# Altium PCB PCB_v2.PcbDoc (part 1 of 2)
Units mm, origin at the board's own origin, x right, y up, seen from the top; angles counter-clockwise.
Board outline 220 x 129.77 mm, 2 copper layers (Top Layer, Bottom Layer); 145 components, 83 nets, 483 pads, 5 vias.
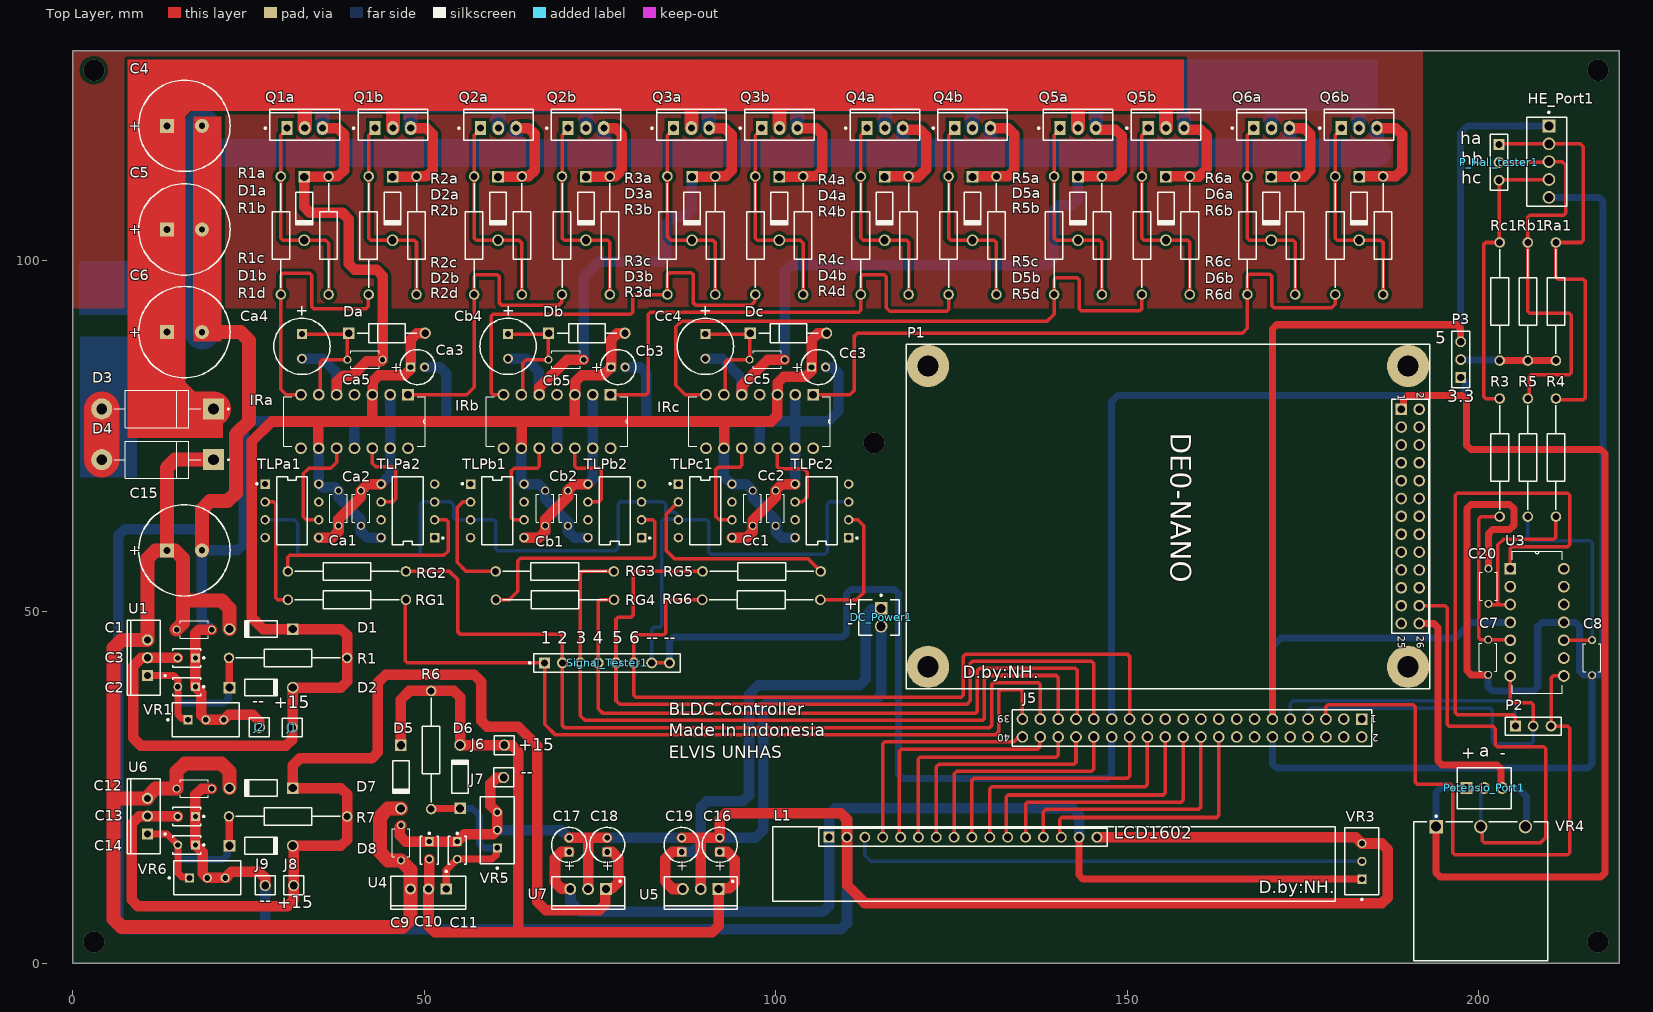
[diagram p0: Top Layer view]
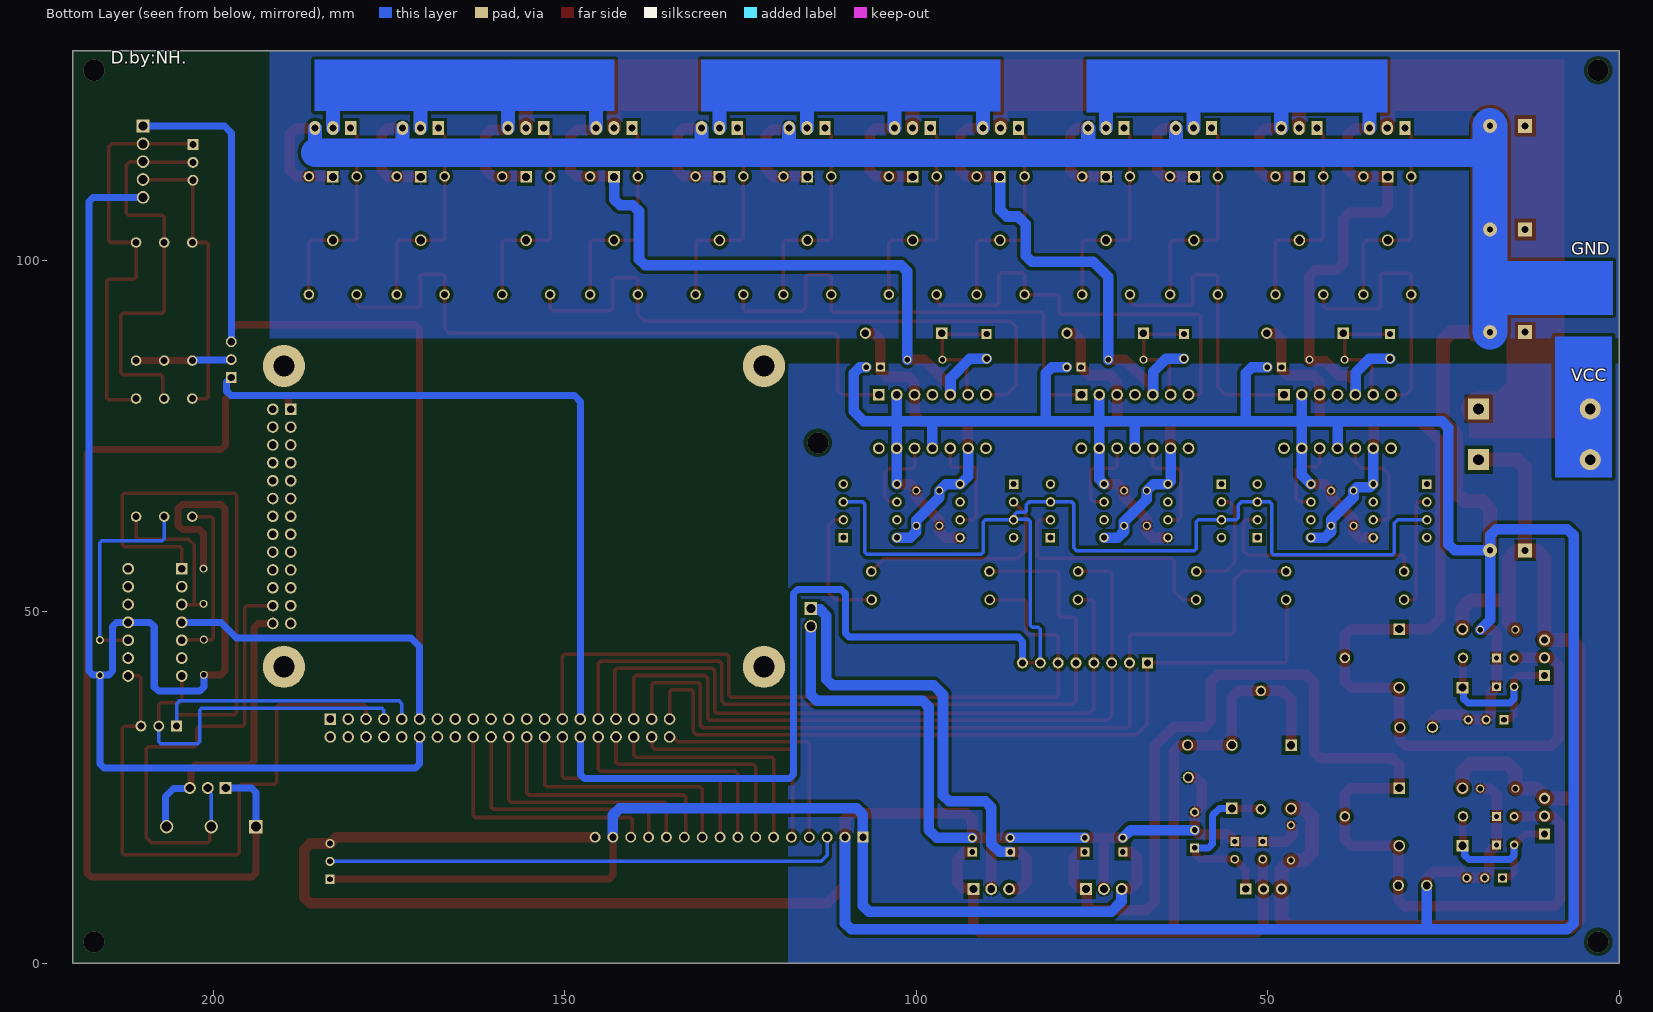
[diagram p1: Bottom Layer view, seen from below]
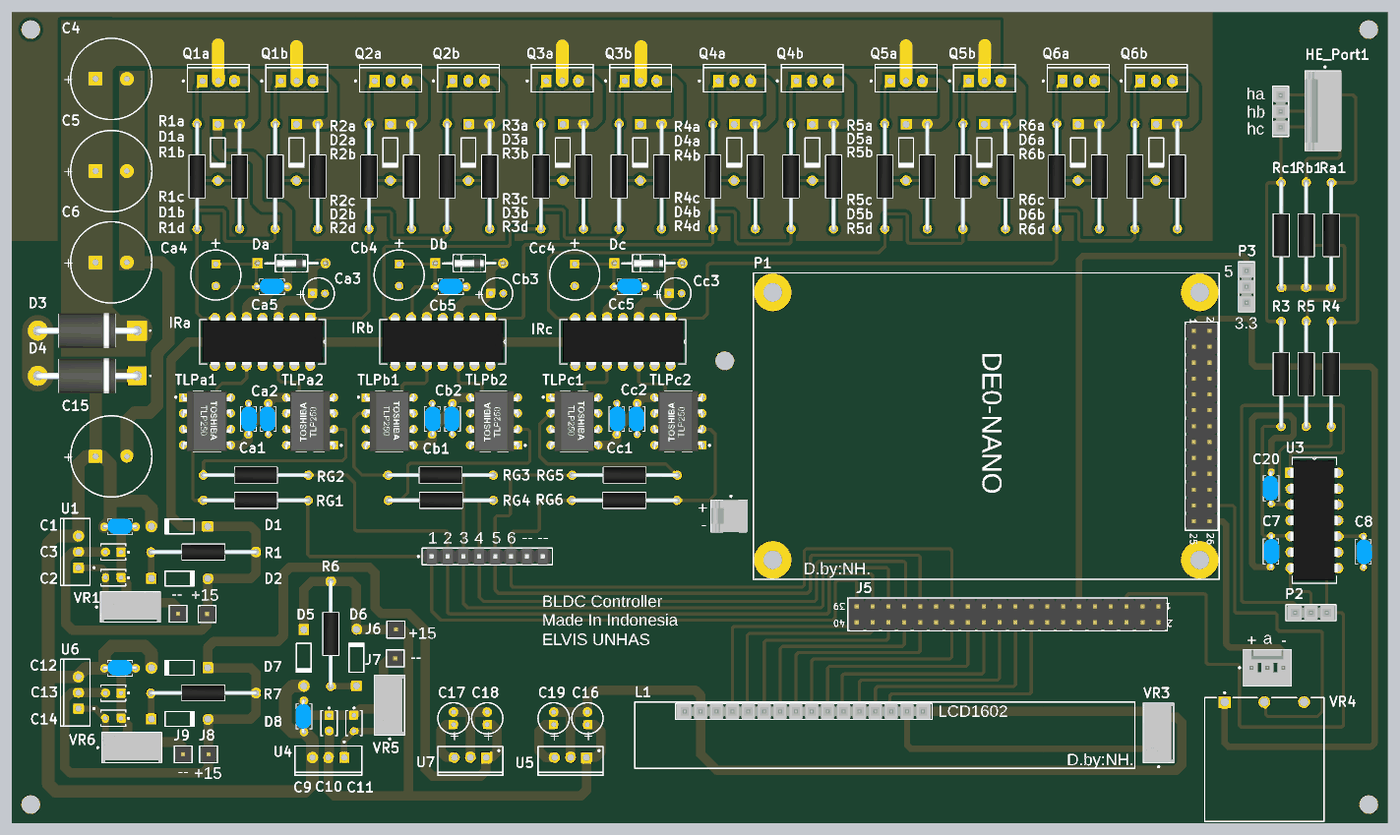
[diagram p3: 3D render of the assembled board from above, using the file's embedded part models]

## Layer stack, top to bottom
Top Solder: solder mask 0.0102, Solder Resist, Dk 3.5
Top Layer: signal copper 0.0356
Dielectric 1: dielectric 0.32, FR-4, Dk 4.8
Bottom Layer: signal copper 0.0356
Bottom Solder: solder mask 0.0102, Solder Resist, Dk 3.5

## Board outline
0,0 220,0 220,129.775 0,129.775

## Design rules (kind name [scope] priority, off if disabled: settings)
Clearance [All] p1: gap=0.5 ignorepadtopadclearanceinfootprint=TRUE
PolygonConnect [All] p1: connectstyle=Relief reliefconductorwidth=0.254 reliefentries=4 polygonreliefangle="90 Angle" airgapwidth=0.254
RoutingVias [All] p1: holewidth=0.711 width=1.27 viastyle="Through Hole" minholewidth=0.711 minwidth=1.27 maxholewidth=0.711 maxwidth=1.27
SolderMaskExpansion [All] p1: expansion=0.102 istentingtop=FALSE
Width Width_Inverter [(InNet('VCC') OR InNet('P1') OR InNet('P2') OR InNet('P3') OR InNet('GND')) OR InNet('36V_I')] p1: maxlimit=7 minlimit=1.5 preferedwidth=5
Width Width_power [(InNet('15V') OR InNet('F20V') OR InNet('F_5V') OR InNet('L20V') OR InNet('L20V') OR InNet('L_5V')) OR InNet('36V_P')] p2: maxlimit=3 minlimit=1 preferedwidth=2
Width [All] p3: maxlimit=1 minlimit=0.5 preferedwidth=0.5
30 further rules are at their usual default settings.

## Classes and differential pairs
component class Power_LCD: C12 C13 C14 C17 C18 D7 D8 J8 J9 R7 U6 U7 VR6
component class Power_FPGA: C9 C10 C11 C16 C19 D5 D6 DC_Power1 J6 J7 R6 U4 U5 VR5
component class Motor_Driver: C1 C2 C3 C4 C5 C6 C15 Ca1 Ca2 Ca3 Ca4 Ca5 Cb1 Cb2 Cb3 Cb4 Cb5 Cc1 Cc2 Cc3 Cc4 Cc5 D1 D1a D1b D2 D2a D2b D3 D3a D3b D4 D4a D4b D5a D5b D6a D6b Da Db Dc IRa IRb IRc J1 J2 Q1a Q1b Q2a Q2b Q3a Q3b Q4a Q4b Q5a Q5b Q6a Q6b R1 R1a R1b R1c R1d R2a R2b R2c R2d R3a R3b R3c R3d R4a R4b R4c R4d R5a R5b R5c R5d R6a R6b R6c R6d RG1 RG2 RG3 RG4 RG5 RG6 TLPa1 TLPa2 TLPb1 TLPb2 TLPc1 TLPc2 U1 VR1
component class IOandFPGA: C7 C8 C20 HE_Port1 J5 L1 P1 P2 P3 P_Hall_tester1 Potensio_Port1 R3 R4 R5 Ra1 Rb1 Rc1 Signal_Tester1 U3 VR3 VR4

## Components (designator, comment, footprint, x,y, rotation, side; value= is the part's Value field where it differs from the comment)
C1 "0.1µF" Cap-0.1uf-50V-Ceramic1 17.277,47.423 r180 top value=0.1µf
C2 "K104K15X7RF5TL2" Cap-0.1uf-50v-ceramic 16.2,39.3 r180 top
C3 "K104K15X7RF5TL2" Cap-0.1uf-50v-ceramic 16.2,43.393 r180 top
C4 "470uf" Cap-470uf-63v-radial 15.875,119.1 r0 top
C5 "470uf" Cap-470uf-63v-radial 15.875,104.35 r0 top
C6 "470uf" Cap-470uf-63v-radial 15.875,89.75 r0 top
C7 "0.1µF" Cap-0.1uf-50V-Ceramic1 201.356,43.5 r90 top
C8 "0.1µF" Cap-0.1uf-50V-Ceramic1 216.14,43.44 r90 top
C9 "0.1µF" Cap-0.1uf-50V-Ceramic1 46.7,17.102 r270 top value=0.1µf
C10 "K104K15X7RF5TL2" Cap-0.1uf-50v-ceramic 50.721,16.025 r270 top
C11 "K104K15X7RF5TL2" Cap-0.1uf-50v-ceramic 54.7,16.025 r270 top
C12 "0.1µF" Cap-0.1uf-50V-Ceramic1 17.277,24.8 r180 top value=0.1µf
C13 "K104K15X7RF5TL2" Cap-0.1uf-50v-ceramic 16.2,20.843 r180 top
C14 "K104K15X7RF5TL2" Cap-0.1uf-50v-ceramic 16.2,16.8 r180 top
C15 "470uf" Cap-470uf-63v-radial 15.875,58.7 r0 top
C16 "0.33µf" Cap-1uf-50v-radial 92.035,16.8 r90 top
C17 "0.33µf" Cap-1uf-50v-radial 70.61,16.8 r90 top
C18 "0.33µf" Cap-1uf-50v-radial 76.01,16.8 r90 top
C19 "0.1µF" Cap-1uf-50v-radial 86.635,16.8 r90 top
C20 "0.1µF" Cap-0.1uf-50V-Ceramic1 201.4,53.6 r270 top
Ca1 "0.1µF" Cap-0.1uf-50V-Ceramic1 37.8,64.7 r90 top
Ca2 "0.1µF" Cap-0.1uf-50V-Ceramic1 41,64.7 r270 top
Ca3 "ECA1HM220" CAP-22uf-50v-radial 49.05,84.775 r0 top
Ca4 "ECA1HM101" Cap-100uf-50v-radial 32.6,87.725 r270 top
Ca5 "0.1µF" Cap-0.1uf-50V-Ceramic1 41.575,85.825 r180 top
Cb1 "0.1µF" Cap-0.1uf-50V-Ceramic1 67.2,64.7 r90 top
Cb2 "0.1µF" Cap-0.1uf-50V-Ceramic1 70.45,64.7 r270 top
Cb3 "ECA1HM220" CAP-22uf-50v-radial 77.575,84.775 r0 top
Cb4 "ECA1HM101" Cap-100uf-50v-radial 61.925,87.725 r270 top
Cb5 "0.1µF" Cap-0.1uf-50V-Ceramic1 70.175,85.825 r180 top
Cc1 "0.1µF" Cap-0.1uf-50V-Ceramic1 96.725,64.7 r90 top
Cc2 "0.1µF" Cap-0.1uf-50V-Ceramic1 100,64.7 r270 top
Cc3 "ECA1HM220" CAP-22uf-50v-radial 106.1,84.775 r0 top
Cc4 "ECA1HM101" Cap-100uf-50v-radial 90,87.725 r270 top
Cc5 "0.1µF" Cap-0.1uf-50V-Ceramic1 98.775,85.825 r180 top
D1 "1N4001-T" Diode-1N4001 26.8,47.5 r180 top
D1a "1N4001-T" Diode-1N4001 32.93,107.325 r270 top
D1b "1N4001-T" Diode-1N4001 45.5,107.325 r270 top
D2 "1N4001-T" Diode-1N4001 26.8,39.18 r0 top
D2a "1N4001-T" Diode-1N4001 60.5,107.325 r270 top
D2b "1N4001-T" Diode-1N4001 73,107.325 r270 top
D3 "1N5404" Diode-1N5404 12,78.825 r180 top
D3a "1N4001-T" Diode-1N4001 88.1,107.325 r270 top
D3b "1N4001-T" Diode-1N4001 100.5,107.325 r270 top
D4 "1N5404" Diode-1N5404 12,71.6 r180 top
D4a "1N4001-T" Diode-1N4001 115.5,107.325 r270 top
D4b "1N4001-T" Diode-1N4001 128,107.325 r270 top
D5 "1N4002-T" Diode-1N4002 46.675,26.475 r270 top
D5a "1N4001-T" Diode-1N4001 143,107.325 r270 top
D5b "1N4001-T" Diode-1N4001 155.5,107.325 r270 top
D6 "1N4002-T" Diode-1N4002 55.1,26.5 r90 top
D6a "1N4001-T" Diode-1N4001 170.5,107.325 r270 top
D6b "1N4001-T" Diode-1N4001 183,107.325 r270 top
D7 "1N4002-T" Diode-1N4002 26.8,24.877 r180 top
D8 "1N4002-T" Diode-1N4002 26.8,16.68 r0 top
Da "UF4007-E3/54" Diode-UF4007 44.7,89.6 r0 top value=17pF
Db "UF4007-E3/54" Diode-UF4007 73.125,89.6 r0 top value=17pF
Dc "UF4007-E3/54" Diode-UF4007 101.8,89.6 r0 top value=17pF
DC_Power1 "640456-2" Conn-Wire-header-2pin 115,49.17 r90 top
HE_Port1 "640456-5" Conn-Wire-header-5pin 210,114 r90 top
IRa "IR2110PBF" Mosfet-Driver-IR2110PBF 32.455,73.225 r270 top
IRb "IR2110PBF" Mosfet-Driver-IR2110PBF 61.272,73.225 r270 top
IRc "IR2110PBF" Mosfet-Driver-IR2110PBF 90.09,73.225 r270 top
J1 "61300111121" PIN-HEADER-1PIN 31.2,33.5 r0 top
J2 "61300111121" PIN-HEADER-1PIN 26.55,33.535 r0 top
J5 "61304021121" Pin-Header-2x20pin 159.23,33.43 r180 top
J6 "61300111121" PIN-HEADER-1PIN 61.4,31 r0 top
J7 "61300111121" PIN-HEADER-1PIN 61.3,26.4 r0 top
J8 "61300111121" PIN-HEADER-1PIN 31.425,11.035 r0 top
J9 "61300111121" PIN-HEADER-1PIN 27.375,11.035 r0 top
L1 "TSW-116-08-T-S" LCD1602 107.6,17.9 r0 top
P1 "61302621121" DE0-nano 190.27,63.54 r270 top
P2 "TSW-103-07-T-S" Pin-Header-3pin 205.22,33.7 r0 top
P3 "TSW-103-07-T-S" Pin-Header-3pin 197.45,83.3 r90 top
P_Hall_tester1 "TSW-103-07-T-S" Pin-Header-3pin 202.9,116.44 r270 top
Potensio_Port1 "22-27-2031" Conn-Wire-header-3pin 200.8,24.9 r0 top
Q1a "IRF3205PBF" Mosfet-IRF3205 33,118.775 r90 top
Q1b "IRF3205PBF" Mosfet-IRF3205 45.54,118.775 r90 top
Q2a "IRF3205PBF" Mosfet-IRF3205 60.54,118.775 r90 top
Q2b "IRF3205PBF" Mosfet-IRF3205 73,118.775 r90 top
Q3a "IRF3205PBF" Mosfet-IRF3205 88,118.775 r90 top
Q3b "IRF3205PBF" Mosfet-IRF3205 100.54,118.775 r90 top
Q4a "IRF3205PBF" Mosfet-IRF3205 115.54,118.775 r90 top
Q4b "IRF3205PBF" Mosfet-IRF3205 128,118.775 r90 top
Q5a "IRF3205PBF" Mosfet-IRF3205 143,118.775 r90 top
Q5b "IRF3205PBF" Mosfet-IRF3205 155.54,118.775 r90 top
Q6a "IRF3205PBF" Mosfet-IRF3205 170.54,118.775 r90 top
Q6b "IRF3205PBF" Mosfet-IRF3205 183,118.775 r90 top
R1 "220R" Resistor-1-Watt 22.225,43.41 r0 top
R1a "20" Resistor-1-Watt 29.6,95.1 r90 top
R1b "20K" Resistor-1-Watt 36.4,95.1 r90 top
R1c "10" Resistor-1-Watt 42.1,95.1 r90 top
R1d "20K" Resistor-1-Watt 48.9,95.1 r90 top
R2a "20" Resistor-1-Watt 57.1,95.1 r90 top
R2b "20K" Resistor-1-Watt 63.9,95.1 r90 top
R2c "20" Resistor-1-Watt 69.6,95.1 r90 top
R2d "20K" Resistor-1-Watt 76.4,95.1 r90 top
R3 "Resistor-1-Watt" Resistor-1-Watt 203,80.3 r270 top
R3a "20" Resistor-1-Watt 84.6,95.1 r90 top
R3b "20K" Resistor-1-Watt 91.4,111.9 r270 top
R3c "20" Resistor-1-Watt 97.1,95.1 r90 top
R3d "20K" Resistor-1-Watt 103.9,111.9 r270 top
R4 "Resistor-1-Watt" Resistor-1-Watt 211,80.3 r270 top
R4a "20" Resistor-1-Watt 112.1,95.1 r90 top
R4b "20K" Resistor-1-Watt 118.9,111.9 r270 top
R4c "20" Resistor-1-Watt 124.6,95.1 r90 top
R4d "20K" Resistor-1-Watt 131.4,111.9 r270 top
R5 "Resistor-1-Watt" Resistor-1-Watt 207,80.3 r270 top
R5a "20" Resistor-1-Watt 139.6,95.1 r90 top
R5b "20K" Resistor-1-Watt 146.4,111.9 r270 top
R5c "20" Resistor-1-Watt 152.1,95.1 r90 top
R5d "20K" Resistor-1-Watt 158.9,111.9 r270 top
R6 "1K" Resistor-1-Watt 50.982,21.9 r90 top
R6a "20" Resistor-1-Watt 167.1,95.1 r90 top
R6b "20K" Resistor-1-Watt 173.9,111.9 r270 top
R6c "20" Resistor-1-Watt 179.6,95.1 r90 top
R6d "20K" Resistor-1-Watt 186.4,111.9 r270 top
R7 "220R" Resistor-1-Watt 22.225,20.849 r0 top
Ra1 "10K" Resistor-1-Watt 211,85.7 r90 top
Rb1 "10K" Resistor-1-Watt 207,85.7 r90 top
Rc1 "10K" Resistor-1-Watt 203,85.7 r90 top
RG1 "180" Resistor-1-Watt 47.4,51.675 r180 top
RG2 "180" Resistor-1-Watt 47.4,55.7 r180 top
RG3 "180" Resistor-1-Watt 76.963,55.7 r180 top
RG4 "180" Resistor-1-Watt 77,51.675 r180 top
RG5 "180" Resistor-1-Watt 89.6,55.7 r0 top
RG6 "180" Resistor-1-Watt 89.55,51.675 r0 top
Signal_Tester1 "M20-9990846" Pin-Header-8pin 76.01,42.7 r0 top
TLPa1 "TLP250" Opto-Coupler-TLP250 31.185,64.32 r0 top
TLPa2 "TLP250" Opto-Coupler-TLP250 47.675,64.32 r180 top
TLPb1 "TLP250" Opto-Coupler-TLP250 60.4,64.32 r0 top
TLPb2 "TLP250" Opto-Coupler-TLP250 77.1,64.32 r180 top
TLPc1 "TLP250" Opto-Coupler-TLP250 89.96,64.32 r0 top
TLPc2 "TLP250" Opto-Coupler-TLP250 106.575,64.32 r180 top
U1 "LM317T/NOPB" Voltage-Regulator-LM317 10.625,43.425 r90 top
U3 "Op-Amp_LM324" Op-Amp_LM324 212.12,40.84 r0 top
U4 "LM317T/NOPB" Voltage-Regulator-LM317 50.59,10.525 r180 top
U5 "L7805ACV" Voltage-Regulator-L7805ACV 89.335,10.525 r180 top
U6 "LM317T/NOPB" Voltage-Regulator-LM317 10.625,20.89 r90 top
U7 "L7805ACV" Voltage-Regulator-L7805ACV 73.31,10.525 r180 top
VR1 "3296W-1-103LF" Resistor-Trimmer 18.94,34.6 r0 top
VR3 "3296W-1-103LF" Resistor-Trimmer 183.4,14.46 r90 top
VR4 "3852A-282-103AL" Potentiometer 200.3,19.4 r0 top
VR5 "3296W-1-103LF" Resistor-Trimmer 60.4,18.915 r90 top
VR6 "3296W-1-103LF" Resistor-Trimmer 19.14,12.1 r0 top

## Footprints (in the part's own frame and the unit in brackets; to place one, negate y for a bottom-side part, rotate by r counter-clockwise, add the part's x,y. Pads: shape width x height; smd on the part's side, far side on the other; paste and mask are expansions set on the pad)
Cap-0.1uf-50v-ceramic [mm] "THD, 2-Leads, Body 4x2.6mm"
  rect 1.25x1.25 hole 0.75: 1(-1.25,0)
  round 1.25 hole 0.75: 2(1.25,0)
  silkscreen extent -2.55,-1.3 2,1.3, body extent -2,-1.3 2,1.3, height 5.6
Cap-0.1uf-50V-Ceramic1 [mm]
  round 1.15 hole 0.75: 1(-2.5,0) 2(2.5,0)
  silkscreen extent -2,-1.25 2,1.25, body extent -2.75,-1.36 2.75,1.14, height 6
Cap-1uf-50v-radial [mm] "THD, 2-Leads, Dia 5mm, Body Length 11mm"
  rect 1.3x1.3 hole 0.8: 1(-1,0)
  round 1.3 hole 0.8: 2(1,0)
  silkscreen extent -2.5,-2.5 2.5,2.5, body extent -2.5,-2.5 2.5,2.5, height 12
CAP-22uf-50v-radial [mm] "THD, 2-Leads, Dia 5mm, Body Length 11mm"
  rect 1.3x1.3 hole 0.8: 1(-1,0)
  round 1.3 hole 0.8: 2(1,0)
  silkscreen extent -2.5,-2.5 2.5,2.5, body extent -2.5,-2.5 2.5,2.5, height 12
Cap-100uf-50v-radial [mm] "THD, 2-Leads, Dia 8mm, Body 11.5mm"
  rect 1.4x1.4 hole 0.9: 1(-1.75,0)
  round 1.4 hole 0.9: 2(1.75,0)
  silkscreen extent -5.72,-4 4,4, body extent -4,-4 4,4, height 12.5
Cap-470uf-63v-radial [mm] "THD, 2-Leads, Dia 10mm, Body Length 20mm"
  rect 2x2 hole 1: 1(-2.5,0)
  round 2 hole 0.9: 2(2.5,0)
  silkscreen extent -6.5,-6.5 6.5,6.5, body extent -6.56,-6.42 6.52,6.59, height 22
Conn-Wire-header-2pin [mm] "HDR, 2-Leads, Body 5.715x5.08mm, Pitch 2.54mm"
  rect 1.8x1.8 hole 1.3: 1(1.27,0)
  round 1.8 hole 1.3: 2(-1.27,0)
  silkscreen extent -2.54,-2.54 3.26,3.17, body extent -2.54,-2.67 2.54,3.17, height 9.4
Conn-Wire-header-3pin [mm] "Header, 3-Leads, Body 7.62x5.8mm, Pitch 2.54mm"
  rect 1.7x1.7 hole 1.19 paste+0: 1(-2.54,0)
  round 1.7 hole 1.19 paste+0: 2(0,0) 3(2.54,0)
  silkscreen extent -4.58,-2.92 3.81,2.88, body extent -3.81,-2.92 3.81,2.88, height 11.71
Conn-Wire-header-5pin [mm] "Through Hole, 5-Leads, Body 12.7x5.72mm, Pitch 2.54mm"
  rect 1.8x1.8 hole 1.27 paste+0: 1(5.08,0)
  round 1.8 hole 1.27 paste+0: 2(2.54,0) 3(0,0) 4(-2.54,0) 5(-5.08,0)
  silkscreen extent -6.35,-2.54 7.13,3.18, body extent -6.35,-2.67 6.35,3.18, height 10.29
DE0-nano [mm] "Pin Header, pitch 2.54 mm, THT, Vertical, dual row, 26p"
  rect 1.65x1.65 hole 1.1: 1(-15.24,-1.27)
  round 1.65 hole 1.1: 2(-15.24,1.27) 3(-12.7,-1.27) 4(-12.7,1.27) 5(-10.16,-1.27) 6(-10.16,1.27) 7(-7.62,-1.27) 8(-7.62,1.27) 9(-5.08,-1.27) 10(-5.08,1.27) 11(-2.54,-1.27) 12(-2.54,1.27) 13(0,-1.27) 14(0,1.27) 15(2.54,-1.27) 16(2.54,1.27) 17(5.08,-1.27) 18(5.08,1.27) 19(7.62,-1.27) 20(7.62,1.27) 21(10.16,-1.27) 22(10.16,1.27) 23(12.7,-1.27) 24(12.7,1.27) 25(15.24,-1.27) 26(15.24,1.27)
  round 6 hole 3: x(-21.4,-0.3) x(-21.4,-68.6) x(21.4,-0.3) x(21.4,-68.6)
  silkscreen extent -24.51,-71.7 24.5,2.8, body extent -16.51,-2.54 16.51,2.54, height 8.59
Diode-1N4001 [mm] "2-Leads, Axial Lead, Body 4.635x2.36mm, Pin Spacing 9mm"
  rect 1.65x1.65 hole 1.15: 1(-4.5,0)
  round 1.65 hole 1.15: 2(4.5,0)
  silkscreen extent -2.32,-1.18 2.32,1.18, body extent -4.93,-1.18 4.93,1.18, height 2.35
Diode-1N4002 [mm] "2-Leads, Axial Lead, Body 4.635x2.36mm, Pin Spacing 9mm"
  rect 1.65x1.65 hole 1.15: 1(-4.5,0)
  round 1.65 hole 1.15: 2(4.5,0)
  silkscreen extent -2.32,-1.18 2.32,1.18, body extent -4.93,-1.18 4.93,1.18, height 2.35
Diode-1N5404 [mm]
  round 3 hole 1.55: 1(7.874,0)
  rect 3x3 hole 1.55: 2(-8.001,0)
  silkscreen extent -10.23,-2.65 6.1,2.65, body extent -8.43,-2.8 8.43,2.8, height 5.6
Diode-UF4007 [mm]
  rect 1.6x1.6 hole 1.05 paste-1000 mask+0: 1(-5.438,0)
  round 1.6 hole 1.05 paste-1000 mask+0: 2(5.438,0)
  silkscreen extent -4.24,-1.35 4.24,1.35, body extent -6.34,-1.45 6.34,1.45, height 0.25
LCD1602 [mm] ".025 SQ Post Terminal Strip Assembly, 1x16 Pins, Vertical, 2.54mm Pitch, Male"
  rect 1.55x1.55 hole 1.02: 1(0,0)
  round 1.55 hole 1.02: 2(2.54,0) 3(5.08,0) 4(7.62,0) 5(10.16,0) 6(12.7,0) 7(15.24,0) 8(17.78,0) 9(20.32,0) 10(22.86,0) 11(25.4,0) 12(27.94,0) 13(30.48,0) 14(33.02,0) 15(35.56,0) 16(38.1,0)
  silkscreen extent -8,-9.1 72,1.5, body extent -1.27,-1.27 39.37,1.27, height 8.38
Mosfet-Driver-IR2110PBF [mil]
  rect 66x66 hole 44: 1(-300,600)
  round 66 hole 44: 2(-300,500) 3(-300,400) 4(-300,300) 5(-300,200) 6(-300,100) 7(-300,0) 8(0,0) 9(0,100) 10(0,200) 11(0,300) 12(0,400) 13(0,500) 14(0,600)
  silkscreen extent -290,-97 -10,697, body extent -305,-80 0,680, height 177
Mosfet-IRF3205 [mm] "FM, 3-Leads, Body 9.9x4.4mm, Pitch 2.54mm"
  rect 2x1.6 hole 1: 1(0,2.54)
  oval 2x1.6 hole 1: 2(0,0) 3(0,-2.54)
  silkscreen extent -1.75,-4.95 2.65,5.72, body extent -1.75,-4.95 2.65,4.95, height 20.2
Op-Amp_LM324 [mil]
  rect 66x66 hole 44: 1(-300,600)
  round 66 hole 44: 2(-300,500) 3(-300,400) 4(-300,300) 5(-300,200) 6(-300,100) 7(-300,0) 8(0,0) 9(0,100) 10(0,200) 11(0,300) 12(0,400) 13(0,500) 14(0,600)
  silkscreen extent -290,-97 -10,697, body extent -305,-80 0,680, height 177
Opto-Coupler-TLP250 [mm]
  rect 1.35x1.35 hole 0.85 paste-1000 mask+0: 1(-3.81,3.81)
  round 1.35 hole 0.85 paste-1000 mask+0: 2(-3.81,1.27) 3(-3.81,-1.27) 4(-3.81,-3.81) 5(3.81,-3.81) 6(3.81,-1.27) 7(3.81,1.27) 8(3.81,3.81)
  silkscreen extent -5.11,-4.83 2.2,4.83, body extent -4.58,-5.05 4.58,5.05, height 0.25
PIN-HEADER-1PIN [mm] "Pin Header, pitch 2.54 mm, THT, Vertical, single row, 1p"
  round 1.6 hole 1.1: 1(0,0)
  silkscreen extent -1.42,-1.35 1.42,1.35, body extent -1.27,-1.27 1.27,1.27, height 8.57
Pin-Header-2x20pin [mm] "Pin Header, pitch 2.54 mm, THT, Vertical, dual row, 40p"
  rect 1.65x1.65 hole 1.1: 1(-24.13,-1.27)
  round 1.65 hole 1.1: 2(-24.13,1.27) 3(-21.59,-1.27) 4(-21.59,1.27) 5(-19.05,-1.27) 6(-19.05,1.27) 7(-16.51,-1.27) 8(-16.51,1.27) 9(-13.97,-1.27) 10(-13.97,1.27) 11(-11.43,-1.27) 12(-11.43,1.27) 13(-8.89,-1.27) 14(-8.89,1.27) 15(-6.35,-1.27) 16(-6.35,1.27) 17(-3.81,-1.27) 18(-3.81,1.27) 19(-1.27,-1.27) 20(-1.27,1.27) 21(1.27,-1.27) 22(1.27,1.27) 23(3.81,-1.27) 24(3.81,1.27) 25(6.35,-1.27) 26(6.35,1.27) 27(8.89,-1.27) 28(8.89,1.27) 29(11.43,-1.27) 30(11.43,1.27) 31(13.97,-1.27) 32(13.97,1.27) 33(16.51,-1.27) 34(16.51,1.27) 35(19.05,-1.27) 36(19.05,1.27) 37(21.59,-1.27) 38(21.59,1.27) 39(24.13,-1.27) 40(24.13,1.27)
  silkscreen extent -25.55,-2.62 25.55,2.62, body extent -25.4,-2.54 25.4,2.54, height 8.59
Pin-Header-3pin [mm] ".025 SQ Post Terminal Strip Assembly, 1x3 Pins, Vertical, 2.54mm Pitch, Male"
  rect 1.55x1.55 hole 1.02: 1(0,0)
  round 1.55 hole 1.02: 2(2.54,0) 3(5.08,0)
  silkscreen extent -1.46,-1.27 6.54,1.27, body extent -1.27,-1.27 6.35,1.27, height 8.38
Pin-Header-8pin [mm]
  rect 1.57x1.57 hole 1.02 paste-1000 mask+0: 1(-8.89,0)
  round 1.57 hole 1.02 paste-1000 mask+0: 2(-6.35,0) 3(-3.81,0) 4(-1.27,0) 5(1.27,0) 6(3.81,0) 7(6.35,0) 8(8.89,0)
  silkscreen extent -11.13,-1.32 10.41,1.32, body extent -10.51,-1.42 10.51,1.42, height 0.25
Potentiometer [mm] "TH, 3-Leads, Body 19.81x19.05mm, Pitch 6.35mm"
  rect 1.9x1.9 hole 1.4: 1(-6.35,0)
  round 1.9 hole 1.4: 2(0,0) 3(6.35,0)
  silkscreen extent -9.53,-19.11 9.53,1.62, body extent -9.52,-19.11 9.52,0.7, height 19.05
Resistor-1-Watt [mm]
  round 1.5 hole 1: 1(0,0) 2(16.8,0)
  silkscreen extent 0.99,-1.25 15.81,1.25, body extent -0.32,-1.25 17.12,1.25, height 2.49
Resistor-Trimmer [mm] "THD, 3-Leads, Body 9.53x4.83mm, Pitch 2.54mm"
  rect 1.3x1.3 hole 0.8: 1(-2.54,0)
  round 1.3 hole 0.8: 2(0,0) 3(2.54,0)
  silkscreen extent -5.54,-2.41 4.76,2.42, body extent -4.76,-2.4 4.76,2.42, height 11.55
Voltage-Regulator-L7805ACV [mm] "TO, Thru-Hole, Vertical, Heatsink Mounted; 3 In-Line Leads; Pitch 2.54 mm"
  rect 1.7x1.7 hole 1.1: 1(-2.54,0)
  round 1.7 hole 1.1: 2(0,0) 3(2.54,0)
  silkscreen extent -5.2,-1.75 5.2,2.85, body extent -5.25,-1.8 5.25,2.9, height 19.7
Voltage-Regulator-LM317 [mm] "FM, 3-Leads, Body 10.7x4.7mm, Pitch 2.54mm"
  rect 1.6x1.6 hole 1: 1(-2.54,0)
  round 1.6 hole 1: 2(0,0) 3(2.54,0)
  silkscreen extent -5.35,-2.63 5.35,2.85, body extent -5.4,-1.9 5.4,2.9, height 19.4
